# Altium PCB STB_ControlBoard.PcbDoc (part 2 of 3)
Units mm, origin at the board's own origin, x right, y up, seen from the top; angles counter-clockwise.
Board outline 90 x 90 mm, 4 copper layers (Top Layer, Int1 (GND), Int2 (PWR), Bottom Layer), stack 1.369 mm thick; 185 components, 119 nets, 629 pads, 368 vias.
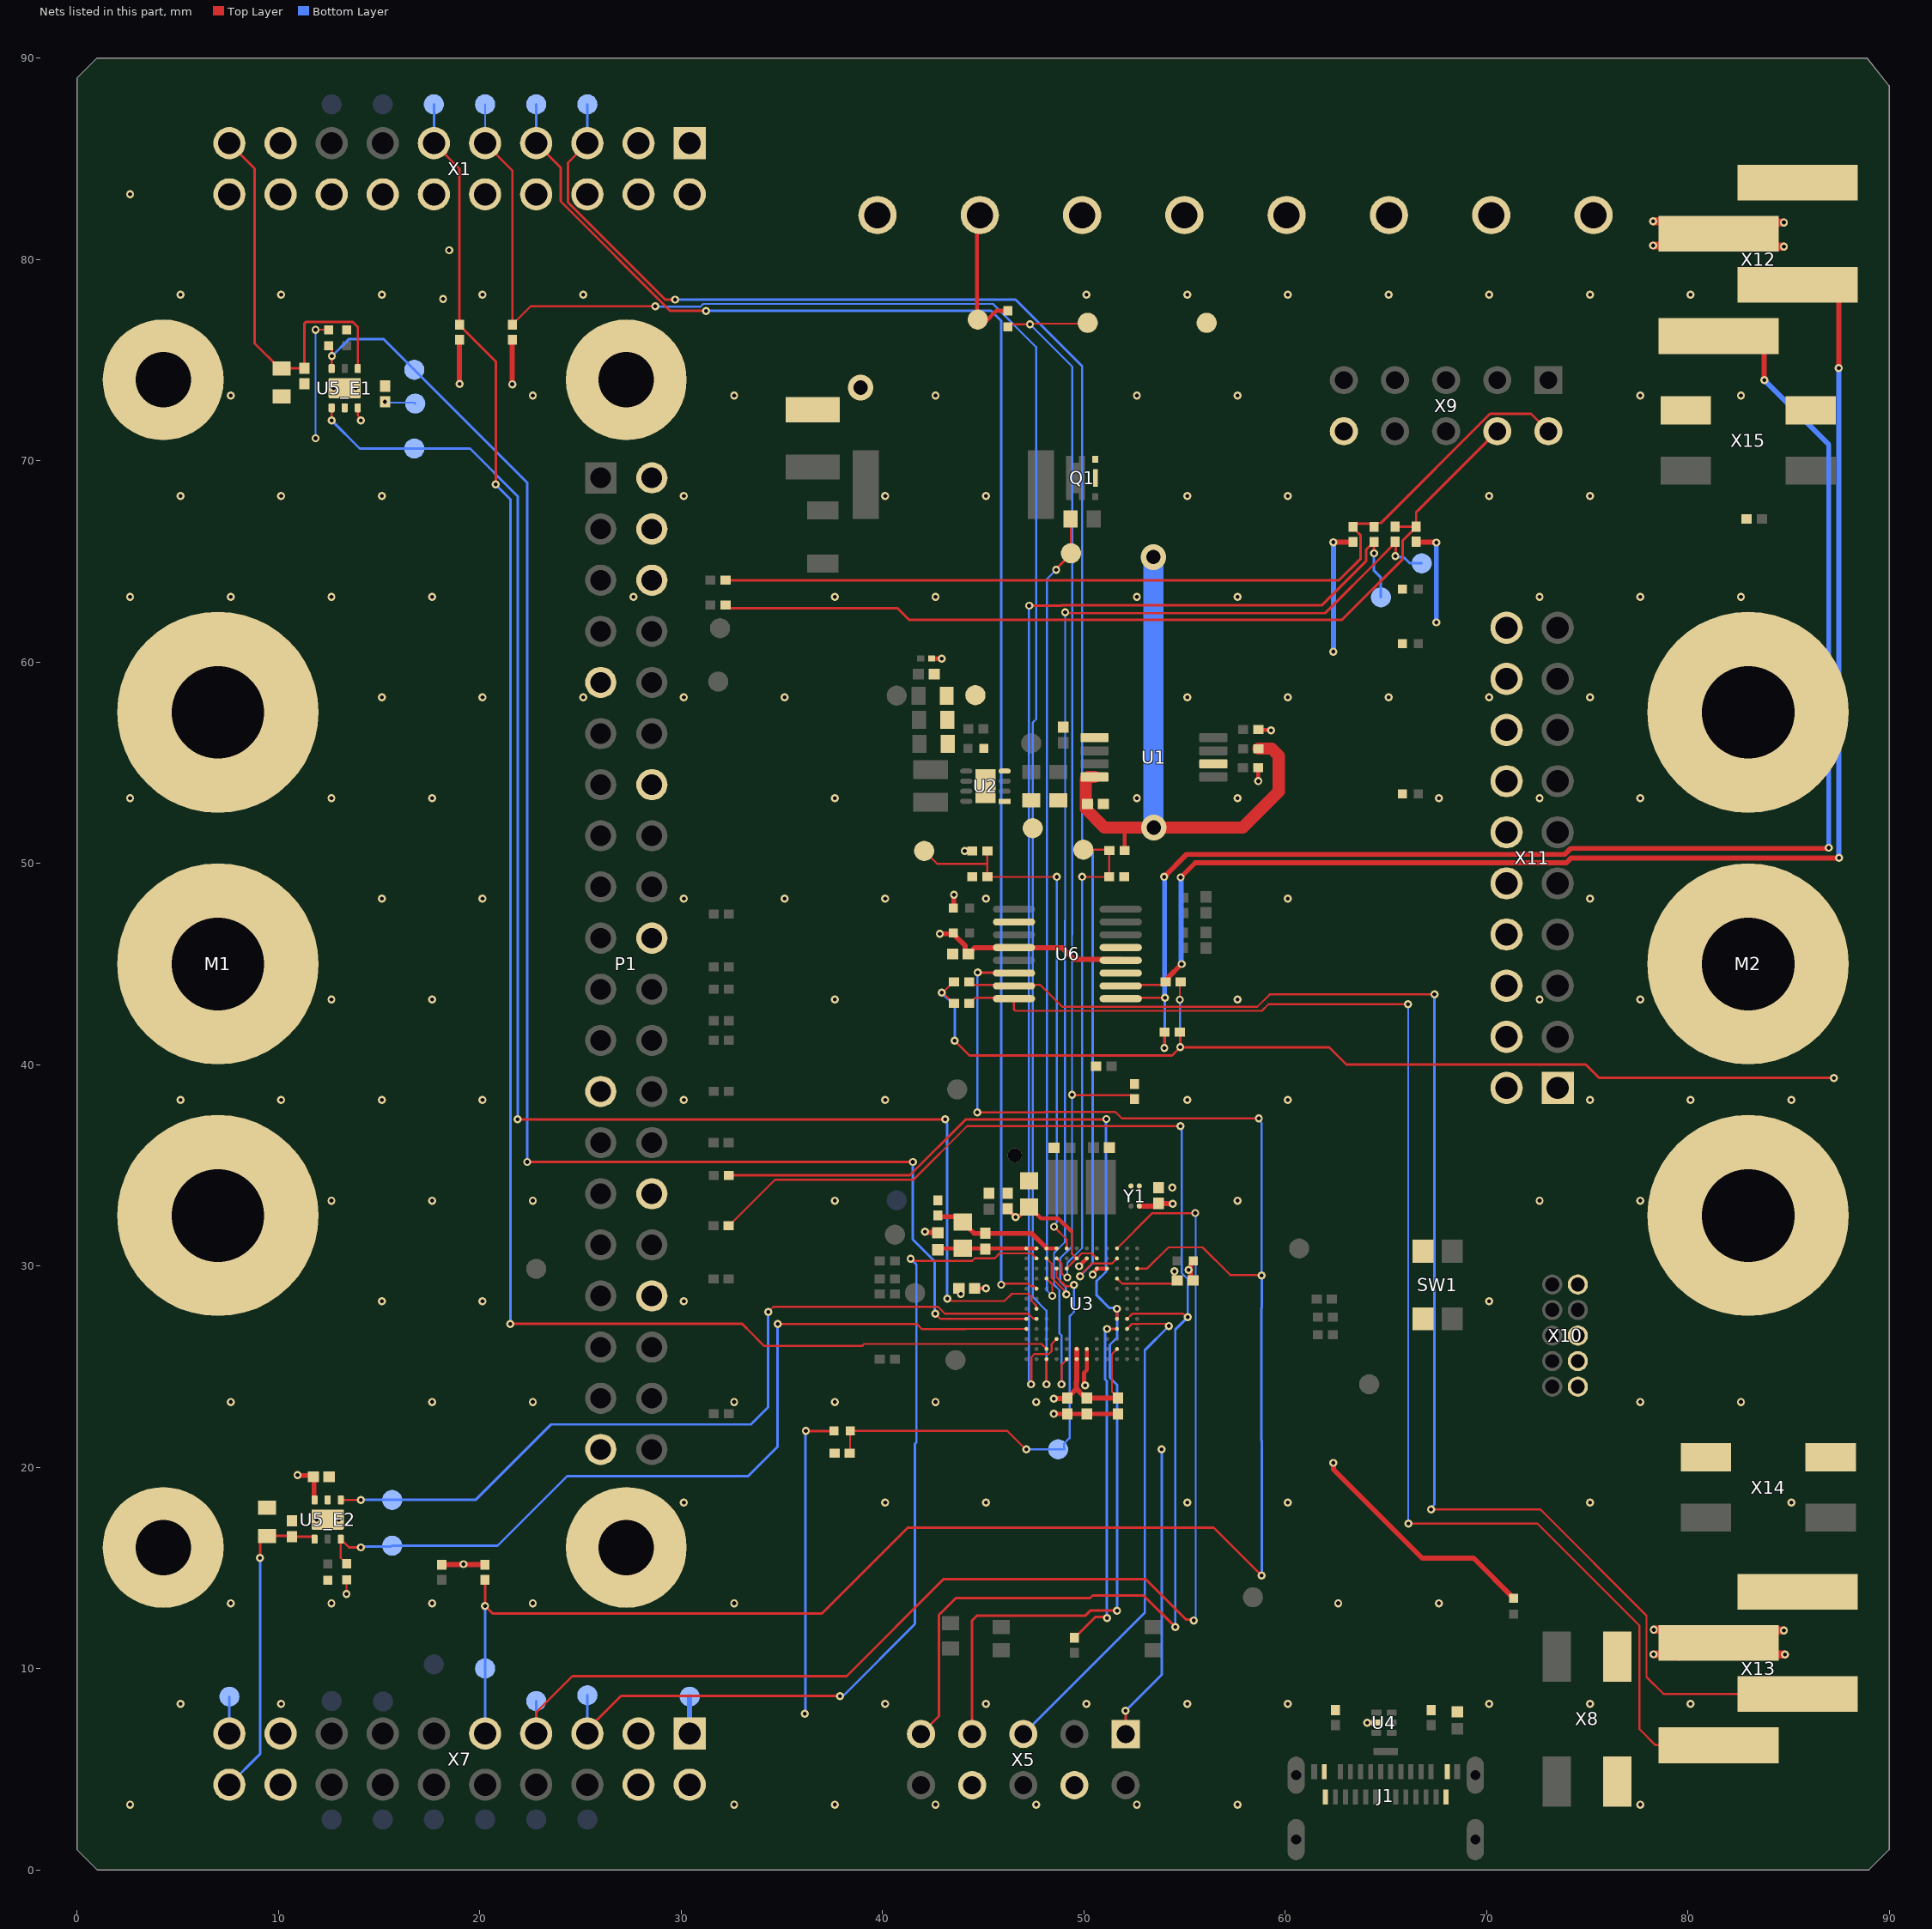
[diagram p4: the nets of this part, all layers, seen from the top]

## Part data (continued)
R9: library part CMP-2000-00757-1, Manufacturer=Panasonic, Manufacturer Part Number=ERJ-3EKF27R0V, Max Operating Temperature=155°C, Min Operating Temperature=-55°C, Package Height=0.45mm, Package Length=1.6mm, Package Shape=Rectangular, Package Style=SMTMeter, Package Width=0.8mm, Part Number=ERJ-3GEYJ270V, Rated Power Dissipation (P)=100mW, Rated Temperature=70°C, Resistor Type="FIXED RESISTOR", Supplier Part Number 1=1763578, Temperature Coefficient=100ppm/°C, Tolerance=1%, Working Voltage=75V, Category="Chip SMD Resistors", ComponentLink1Description=https://datasheet.ciiva.com:443/pdfs/VipMasterIC/IC/PANA/PANA-S-A0009889626/PANA-S-A0009889626-1.pdf?src-supplier=IHS+Markit, ComponentLink1URL=https://datasheet.ciiva.com:443/pdfs/VipMasterIC/IC/PANA/PANA-S-A0009889626/PANA-S-A0009889626-1.pdf?src-supplier=IHS+Markit, ComponentLink2Description=https://datasheet.ciiva.com/46381/1678782-46381559.pdf?src-supplier=Element14, ComponentLink2URL=https://datasheet.ciiva.com/46381/1678782-46381559.pdf?src-supplier=Element14, ComponentLink3Description=https://datasheet.ciiva.com/22681/1678782-22681182.pdf?src-supplier=Element14, ComponentLink3URL=https://datasheet.ciiva.com/22681/1678782-22681182.pdf?src-supplier=Element14, ComponentLink4Description=https://datasheet.ciiva.com/28568/1678782-28568703.pdf?src-supplier=Element14, ComponentLink4URL=https://datasheet.ciiva.com/28568/1678782-28568703.pdf?src-supplier=Element14, ComponentLink5Description=https://datasheet.ciiva.com/46381/1678782-46381558.pdf?src-supplier=Element14, ComponentLink5URL=https://datasheet.ciiva.com/46381/1678782-46381558.pdf?src-supplier=Element14, ComponentLink6Description=https://datasheet.ciiva.com/24069/aoa0000ce2-24069132.pdf?src-supplier=Mouser, ComponentLink6URL=https://datasheet.ciiva.com/24069/aoa0000ce2-24069132.pdf?src-supplier=Mouser, ComponentLink7Description=https://datasheet.ciiva.com/16776/70260748-16776005.pdf?src-supplier=Allied+Electronics, ComponentLink7URL=https://datasheet.ciiva.com/16776/70260748-16776005.pdf?src-supplier=Allied+Electronics, ComponentLink8Description=https://datasheet.ciiva.com/16779/70260748-16779605.pdf?src-supplier=Allied+Electronics, ComponentLink8URL=https://datasheet.ciiva.com/16779/70260748-16779605.pdf?src-supplier=Allied+Electronics, ComponentLink9Description=https://datasheet.ciiva.com/9116/aoa0000ce2-9116957.pdf?src-supplier=Avnet, ComponentLink9URL=https://datasheet.ciiva.com/9116/aoa0000ce2-9116957.pdf?src-supplier=Avnet, ComponentLink10Description=https://datasheet.ciiva.com/9191/aoa0000ce2-9191131.pdf?src-supplier=Avnet, ComponentLink10URL=https://datasheet.ciiva.com/9191/aoa0000ce2-9191131.pdf?src-supplier=Avnet, ComponentLink11Description=https://datasheet.ciiva.com/30124/aoa0000ce2-30124664.pdf?src-supplier=Onlinecomponents.com, ComponentLink11URL=https://datasheet.ciiva.com/30124/aoa0000ce2-30124664.pdf?src-supplier=Onlinecomponents.com, Construction=Rectangular, JESD-609 Code=e3, Mount="Surface Mount", Number of Pins=2, Packaging="Tape and Reel", Pricing 1="1000=0.01300 (CHF)", REACH SVHC=Yes, Reference Standard=AEC-Q200, RoHS=Yes, RoHS Compliant=Yes, Size Code=0603, Stock 1=109978, Supplier 1=RSComponents, Technology="METAL GLAZE/THICK FILM", Terminal Finish=Nickel, Termination=Wraparound
R10 R34 R35 R36 R50 R63 R64: library part CMP-2000-07588-1, "Chip Resistor, 10 KOhm, +/- 1%, 0.1 W, -55 to 155 degC, 0402 (1005 Metric), RoHS, Tape and Reel", Case Code (Imperial)=0402, Case Code (Metric)=1005, Manufacturer=Panasonic, Manufacturer Part Number=ERJ-2RKF1002X, Max Operating Temperature=155degC, Max Power Dissipation=100mW, Min Operating Temperature=-55degC, Package Description="2-Pin Surface Mount Device, Body 1 x 0.5 mm", Package Height=0.35mm, Package Length=1mm, Package Quantity=1, Package Reference=402, Package Shape=Rectangular, Package Style=SMTMeter, Package Width=0.5mm, Rated Temperature=70°C, Resistor Type="FIXED RESISTOR", Supplier Part Number 1=P10.0KLDKR-ND, Temperature Coefficient=100ppm\/degreesC, Tolerance=1%, Voltage Rating=50V, Case\/Package=0402, Category="Chip SMD Resistors", ComponentLink1Description=https://datasheet.ciiva.com:443/pdfs/VipMasterIC/IC/PANA/PANA-S-A0009889626/PANA-S-A0009889626-1.pdf?src-supplier=IHS+Markit, ComponentLink1URL=https://datasheet.ciiva.com:443/pdfs/VipMasterIC/IC/PANA/PANA-S-A0009889626/PANA-S-A0009889626-1.pdf?src-supplier=IHS+Markit, ComponentLink2Description=https://datasheet.ciiva.com/11821/0900766b80f80784-11821171.pdf?src-supplier=RSComponents, ComponentLink2URL=https://datasheet.ciiva.com/11821/0900766b80f80784-11821171.pdf?src-supplier=RSComponents, ComponentLink3Description=https://datasheet.ciiva.com/27055/1987020-27055643.pdf?src-supplier=Jameco, ComponentLink3URL=https://datasheet.ciiva.com/27055/1987020-27055643.pdf?src-supplier=Jameco, ComponentLink4Description=https://datasheet.ciiva.com/43467/1678782-43467402.pdf?src-supplier=Farnell, ComponentLink4URL=https://datasheet.ciiva.com/43467/1678782-43467402.pdf?src-supplier=Farnell, ComponentLink5Description=https://datasheet.ciiva.com/28514/1678782-28514185.pdf?src-supplier=Element14, ComponentLink5URL=https://datasheet.ciiva.com/28514/1678782-28514185.pdf?src-supplier=Element14, ComponentLink6Description=https://datasheet.ciiva.com/24023/aoa0000ce2-24023017.pdf?src-supplier=Mouser, ComponentLink6URL=https://datasheet.ciiva.com/24023/aoa0000ce2-24023017.pdf?src-supplier=Mouser, ComponentLink7Description=https://datasheet.ciiva.com/16782/70260748-16782590.pdf?src-supplier=Allied+Electronics, ComponentLink7URL=https://datasheet.ciiva.com/16782/70260748-16782590.pdf?src-supplier=Allied+Electronics, ComponentLink8Description=https://datasheet.ciiva.com/16786/70260748-16786734.pdf?src-supplier=Allied+Electronics, ComponentLink8URL=https://datasheet.ciiva.com/16786/70260748-16786734.pdf?src-supplier=Allied+Electronics, ComponentLink9Description=https://datasheet.ciiva.com/9194/aoa0000ce2-9194142.pdf?src-supplier=Avnet, ComponentLink9URL=https://datasheet.ciiva.com/9194/aoa0000ce2-9194142.pdf?src-supplier=Avnet, ComponentLink10Description=https://datasheet.ciiva.com/16199/aoa0000ce2-16199478.pdf?src-supplier=Future+Electronics, ComponentLink10URL=https://datasheet.ciiva.com/16199/aoa0000ce2-16199478.pdf?src-supplier=Future+Electronics, ComponentLink11Description=https://datasheet.ciiva.com/48531/aoa0000ce2-48531069.pdf?src-supplier=Avnet, ComponentLink11URL=https://datasheet.ciiva.com/48531/aoa0000ce2-48531069.pdf?src-supplier=Avnet, ComponentLink12Description=https://datasheet.ciiva.com/30201/aoa0000ce2-30201022.pdf?src-supplier=Onlinecomponents.com, ComponentLink12URL=https://datasheet.ciiva.com/30201/aoa0000ce2-30201022.pdf?src-supplier=Onlinecomponents.com, Composition=ThickFilm, Construction=Rectangular, Contact Plating=Tin, Datasheet URL=https://industrial.panasonic.com/cdbs/www-data/pdf/RDA0000/AOA0000C304.pdf, Datasheet Version=02/2017, Depth=0.5mm, Height=0.35mm, JESD-609 Code=e3, Lead Free=LeadFree, Length=1mm, Manufacturer URL=http://www.panasonic.com/, Military Standard=Not, Mount=SurfaceMount, Mounting Technology=SurfaceMount, Number of Pins=2, Number of Terminations=2, Packaging=TapeandReel, Power Rating=100mW, Pricing 1="1=0.10000, 10=0.03300, 100=0.01330, 1000=0.00599, 2500=0.00520, 5000=0.00429 (USD)", Radiation Hardening=No, Rated Power Dissipation (P)=100mW, REACH SVHC=NoSVHC, Reference Standard=AEC-Q200, RoHS=Yes, RoHS Compliant=Yes, RoHSCompliant=True, Size Code=0402, Stock 1=108, Supplier 1=Digi-Key, Technology="METAL GLAZE/THICK FILM", Terminal Finish=Nickel, Termination=SMD/SMT, Voltage Rating (DC)=50V, Width=0.02inch, Working Voltage=50V
R11: library part CMP-2005-03789-1, Manufacturer=Panasonic, Manufacturer Part Number=ERJ14BQF1R0U, Max Operating Temperature=125°C, Min Operating Temperature=-55°C, Package Shape=Rectangular, Rated Power Dissipation (P)=500mW, Rated Temperature=70°C, Resistor Type="FIXED RESISTOR", Supplier Part Number 1=P17253CT-ND, Temperature Coefficient=100ppm/°C, Tolerance=1%, Category="Chip SMD Resistors", ComponentLink1Description=https://datasheet.ciiva.com:443/pdfs/VipMasterIC/IC/PANA/PANA-S-A0009615198/PANA-S-A0009615198-1.pdf?src-supplier=IHS+Markit, ComponentLink1URL=https://datasheet.ciiva.com:443/pdfs/VipMasterIC/IC/PANA/PANA-S-A0009615198/PANA-S-A0009615198-1.pdf?src-supplier=IHS+Markit, ComponentLink2Description=https://datasheet.ciiva.com/11810/0900766b80eefa12-11810873.pdf?src-supplier=RSComponents, ComponentLink2URL=https://datasheet.ciiva.com/11810/0900766b80eefa12-11810873.pdf?src-supplier=RSComponents, ComponentLink3Description=https://datasheet.ciiva.com/48533/erj-eng-tds-48533543.pdf?src-supplier=Distrelec, ComponentLink3URL=https://datasheet.ciiva.com/48533/erj-eng-tds-48533543.pdf?src-supplier=Distrelec, ComponentLink4Description=https://datasheet.ciiva.com/48516/erj-eng-tds-48516877.pdf?src-supplier=Distrelec, ComponentLink4URL=https://datasheet.ciiva.com/48516/erj-eng-tds-48516877.pdf?src-supplier=Distrelec, ComponentLink5Description=https://datasheet.ciiva.com/24055/aoa0000ce3-72189-24055482.pdf?src-supplier=Mouser, ComponentLink5URL=https://datasheet.ciiva.com/24055/aoa0000ce3-72189-24055482.pdf?src-supplier=Mouser, ComponentLink6Description=https://datasheet.ciiva.com/9198/aoa0000ce3-9198936.pdf?src-supplier=Avnet, ComponentLink6URL=https://datasheet.ciiva.com/9198/aoa0000ce3-9198936.pdf?src-supplier=Avnet, JESD-609 Code=e3, Mount="Surface Mount", Number of Pins=2, Packaging="Tape and Reel", Part Number=ERJ14BQF1R0U, Pricing 1="1=0.59000, 10=0.45200, 100=0.19010, 1000=0.10486, 2500=0.09831 (USD)", Reach SVHC Compliant=Yes, Reference Standard=AEC-Q200, RoHS=Yes, RoHS Compliant=Yes, Size Code=1210, Stock 1=77, Supplier 1=Digi-Key, Technology="METAL GLAZE/THICK FILM", Terminal Finish=Nickel, Termination=Wraparound
R12 R13 R15 R17 R18 R19 R20 R21 R22 R23 R24 R25 R26 R29 R30 R33 R39 R40 R45 R46 R47 R49 R54: library part CMP-1011-00001-2, Manufacturer="Yageo / Phycomp", Manufacturer Part Number=RC0402JR-070RL, Max Operating Temperature=155°C, Min Operating Temperature=-55°C, Package Height=0.35mm, Package Length=1mm, Package Shape=Rectangular, Package Style=SMTMeter, Package Width=0.5mm, Rated Power Dissipation (P)=62.5mW, Rated Temperature=70°C, Resistor Type="FIXED RESISTOR", Supplier Part Number 1=311-0.0JRDKR-ND, Category="Chip SMD Resistors", ComponentLink1Description=https://datasheet.ciiva.com:443/pdfs/VipMasterIC/IC/YAGO/YAGO-S-A0008145938/YAGO-S-A0008145938-1.pdf?src-supplier=IHS+Markit, ComponentLink1URL=https://datasheet.ciiva.com:443/pdfs/VipMasterIC/IC/YAGO/YAGO-S-A0008145938/YAGO-S-A0008145938-1.pdf?src-supplier=IHS+Markit, ComponentLink2Description=https://datasheet.ciiva.com/2452/pyu-rc0402-51-rohs-l-6-2452608.pdf?src-supplier=Digi-Key, ComponentLink2URL=https://datasheet.ciiva.com/2452/pyu-rc0402-51-rohs-l-6-2452608.pdf?src-supplier=Digi-Key, ComponentLink3Description=https://datasheet.ciiva.com/11808/0900766b80c66297-11808195.pdf?src-supplier=RSComponents, ComponentLink3URL=https://datasheet.ciiva.com/11808/0900766b80c66297-11808195.pdf?src-supplier=RSComponents, ComponentLink4Description=https://datasheet.ciiva.com/7983/1018594-7983535.pdf?src-supplier=Element14, ComponentLink4URL=https://datasheet.ciiva.com/7983/1018594-7983535.pdf?src-supplier=Element14, ComponentLink5Description=https://datasheet.ciiva.com/22747/1018594-22747515.pdf?src-supplier=Element14, ComponentLink5URL=https://datasheet.ciiva.com/22747/1018594-22747515.pdf?src-supplier=Element14, ComponentLink6Description=https://datasheet.ciiva.com/2452/pyu-r-int-thick-7-2452609.pdf?src-supplier=Digi-Key, ComponentLink6URL=https://datasheet.ciiva.com/2452/pyu-r-int-thick-7-2452609.pdf?src-supplier=Digi-Key, ComponentLink7Description=https://datasheet.ciiva.com/2452/pyu-r-int-thick-7-2452610.pdf?src-supplier=Digi-Key, ComponentLink7URL=https://datasheet.ciiva.com/2452/pyu-r-int-thick-7-2452610.pdf?src-supplier=Digi-Key, ComponentLink8Description=https://datasheet.ciiva.com/8896/pyu-rc0402-51-rohs-l-6-8896201.pdf?src-supplier=Avnet, ComponentLink8URL=https://datasheet.ciiva.com/8896/pyu-rc0402-51-rohs-l-6-8896201.pdf?src-supplier=Avnet, ComponentLink9Description=https://datasheet.ciiva.com/15189/getdatasheetpartid-326379-15189533.pdf?src-supplier=Verical, ComponentLink9URL=https://datasheet.ciiva.com/15189/getdatasheetpartid-326379-15189533.pdf?src-supplier=Verical, Construction=Chip, JESD-609 Code=e3, Mount="Surface Mount", Number of Pins=2, Packaging="Tape and Reel", Part Number=RC0402JR-070RL, Pricing 1="1=0.10000, 10=0.01200, 25=0.00840, 50=0.00640, 100=0.00480, 250=0.00364, 500=0.00290, 1000=0.00214, 5000=0.00154 (USD)", REACH SVHC=Yes, RoHS=Yes, RoHS Compliant=Yes, Size Code=0402, Stock 1=41330354, Supplier 1=Digi-Key, Technology="METAL GLAZE/THICK FILM", Terminal Finish=Nickel, Termination=Wraparound
  R29 R30 R33 R39 R40 R45 R46 R47 R49 R54: Resistance=0R
R14: library part CMP-2003-00017-1, Manufacturer=Panasonic, Manufacturer Part Number=ERJ-8ENF1001V, Max Operating Temperature=155°C, Min Operating Temperature=-55°C, Package Height=0.6mm, Package Length=3.2mm, Package Shape=Rectangular, Package Style=SMTMeter, Package Width=1.6mm, Rated Power Dissipation (P)=250mW, Rated Temperature=70°C, Resistor Type="FIXED RESISTOR", Supplier Part Number 1=P1.00KFDKR-ND, Temperature Coefficient=100ppm/°C, Tolerance=1%, Working Voltage=200V, Category="Chip SMD Resistors", ComponentLink1Description=https://datasheet.ciiva.com:443/pdfs/VipMasterIC/IC/PANA/PANA-S-A0009889626/PANA-S-A0009889626-1.pdf?src-supplier=IHS+Markit, ComponentLink1URL=https://datasheet.ciiva.com:443/pdfs/VipMasterIC/IC/PANA/PANA-S-A0009889626/PANA-S-A0009889626-1.pdf?src-supplier=IHS+Markit, Construction=Rectangular, JESD-609 Code=e3, Mount="Surface Mount", Number of Pins=2, Packaging="Tape and Reel", Part Number=ERJ-8ENF1001V, Pricing 1="1=0.18000, 10=0.15400, 100=0.06030, 1000=0.02522, 2500=0.02312 (USD)", Reach SVHC Compliant=Yes, Reference Standard=AEC-Q200, RoHS=Yes, RoHS Compliant=Yes, Size Code=1206, Stock 1=194943, Supplier 1=Digi-Key, Technology="METAL GLAZE/THICK FILM", Terminal Finish=Nickel, Termination=Wraparound
R27 R28 R31 R32 R37 R38 R59 R60 R61 R62: library part CMP-1011-00586-2, Manufacturer="Yageo / Phycomp", Manufacturer Part Number=RC0402FR-074K7L, Max Operating Temperature=155°C, Min Operating Temperature=-55°C, Package Height=0.35mm, Package Length=1mm, Package Shape=Rectangular, Package Style=SMTMeter, Package Width=0.5mm, Rated Power Dissipation (P)=62.5mW, Rated Temperature=70°C, Resistor Type="FIXED RESISTOR", Supplier Part Number 1=311-4.7KLRDKR-ND, Temperature Coefficient=100ppm/°C, Tolerance=1%, Working Voltage=50V, Additional Feature="LASER TRIMMABLE", Category="Chip SMD Resistors", ComponentLink1Description=https://datasheet.ciiva.com:443/pdfs/VipMasterIC/IC/YAGO/YAGO-S-A0008145938/YAGO-S-A0008145938-1.pdf?src-supplier=IHS+Markit, ComponentLink1URL=https://datasheet.ciiva.com:443/pdfs/VipMasterIC/IC/YAGO/YAGO-S-A0008145938/YAGO-S-A0008145938-1.pdf?src-supplier=IHS+Markit, ComponentLink2Description=https://datasheet.ciiva.com/22661/1686128-22661342.pdf?src-supplier=Element14, ComponentLink2URL=https://datasheet.ciiva.com/22661/1686128-22661342.pdf?src-supplier=Element14, ComponentLink3Description=https://datasheet.ciiva.com/7850/1018594-7850022.pdf?src-supplier=Element14, ComponentLink3URL=https://datasheet.ciiva.com/7850/1018594-7850022.pdf?src-supplier=Element14, ComponentLink4Description=https://datasheet.ciiva.com/7850/1018594-7850023.pdf?src-supplier=Element14, ComponentLink4URL=https://datasheet.ciiva.com/7850/1018594-7850023.pdf?src-supplier=Element14, ComponentLink5Description=https://datasheet.ciiva.com/15215/getdatasheetpartid-328119-15215035.pdf?src-supplier=Verical, ComponentLink5URL=https://datasheet.ciiva.com/15215/getdatasheetpartid-328119-15215035.pdf?src-supplier=Verical, Construction=Chip, JESD-609 Code=e3, Mount="Surface Mount", Number of Pins=2, Packaging="Tape and Reel", Part Number=RC0402FR-074K7L, Pricing 1="1=0.10000, 10=0.01500, 100=0.00600, 1000=0.00267, 2500=0.00232, 5000=0.00192 (USD)", REACH SVHC=Yes, RoHS=Yes, RoHS Compliant=Yes, Size Code=0402, Stock 1=23638739, Supplier 1=Digi-Key, Technology="METAL GLAZE/THICK FILM", Terminal Finish=Nickel, Termination=Wraparound
R48 R57_E1 R57_E2 R58_E1 R58_E2: library part CMP-2002-01150-1, Manufacturer=Panasonic, Manufacturer Part Number=ERJ-2RKF3903X, Max Operating Temperature=155°C, Min Operating Temperature=-55°C, Package Height=0.35mm, Package Length=1mm, Package Shape=Rectangular, Package Style=SMTMeter, Package Width=0.5mm, Part Number=ERJ2RKF3903X, Rated Power Dissipation (P)=100mW, Rated Temperature=70°C, Resistor Type="FIXED RESISTOR", Supplier Part Number 1=P390KLDKR-ND, Temperature Coefficient=100ppm/°C, Tolerance=1%, Working Voltage=50V, Category="Chip SMD Resistors", ComponentLink1Description=https://datasheet.ciiva.com:443/pdfs/VipMasterIC/IC/PANA/PANA-S-A0009889626/PANA-S-A0009889626-1.pdf?src-supplier=IHS+Markit, ComponentLink1URL=https://datasheet.ciiva.com:443/pdfs/VipMasterIC/IC/PANA/PANA-S-A0009889626/PANA-S-A0009889626-1.pdf?src-supplier=IHS+Markit, ComponentLink2Description=https://datasheet.ciiva.com/11821/0900766b80f80784-11821283.pdf?src-supplier=RSComponents, ComponentLink2URL=https://datasheet.ciiva.com/11821/0900766b80f80784-11821283.pdf?src-supplier=RSComponents, ComponentLink3Description=https://datasheet.ciiva.com/16764/70260748-16764280.pdf?src-supplier=Allied+Electronics, ComponentLink3URL=https://datasheet.ciiva.com/16764/70260748-16764280.pdf?src-supplier=Allied+Electronics, ComponentLink4Description=https://datasheet.ciiva.com/9182/aoa0000ce2-9182363.pdf?src-supplier=Avnet, ComponentLink4URL=https://datasheet.ciiva.com/9182/aoa0000ce2-9182363.pdf?src-supplier=Avnet, ComponentLink5Description=https://datasheet.ciiva.com/22681/1678782-22681165.pdf?src-supplier=Element14, ComponentLink5URL=https://datasheet.ciiva.com/22681/1678782-22681165.pdf?src-supplier=Element14, ComponentLink6Description=https://datasheet.ciiva.com/46373/1678782-46373573.pdf?src-supplier=Element14, ComponentLink6URL=https://datasheet.ciiva.com/46373/1678782-46373573.pdf?src-supplier=Element14, ComponentLink7Description=https://datasheet.ciiva.com/7711/1678782-7711046.pdf?src-supplier=Element14, ComponentLink7URL=https://datasheet.ciiva.com/7711/1678782-7711046.pdf?src-supplier=Element14, ComponentLink8Description=https://datasheet.ciiva.com/9182/aoa0000ce2-9182360.pdf?src-supplier=Avnet, ComponentLink8URL=https://datasheet.ciiva.com/9182/aoa0000ce2-9182360.pdf?src-supplier=Avnet, ComponentLink9Description=https://datasheet.ciiva.com/24025/aoa0000ce2-24025100.pdf?src-supplier=Mouser, ComponentLink9URL=https://datasheet.ciiva.com/24025/aoa0000ce2-24025100.pdf?src-supplier=Mouser, ComponentLink10Description=https://datasheet.ciiva.com/16785/70260748-16785997.pdf?src-supplier=Allied+Electronics, ComponentLink10URL=https://datasheet.ciiva.com/16785/70260748-16785997.pdf?src-supplier=Allied+Electronics, ComponentLink11Description=https://datasheet.ciiva.com/30263/aoa0000ce2-30263919.pdf?src-supplier=Onlinecomponents.com, ComponentLink11URL=https://datasheet.ciiva.com/30263/aoa0000ce2-30263919.pdf?src-supplier=Onlinecomponents.com, Construction=Rectangular, JESD-609 Code=e3, Mount="Surface Mount", Number of Pins=2, Packaging="Tape and Reel", Pricing 1="1=0.10000, 10=0.03300, 100=0.01330, 1000=0.00599, 2500=0.00520, 5000=0.00429 (USD)", REACH SVHC=Yes, Reference Standard=AEC-Q200, RoHS=Yes, RoHS Compliant=Yes, Size Code=0402, Stock 1=16645, Supplier 1=Digi-Key, Technology="METAL GLAZE/THICK FILM", Terminal Finish=Nickel, Termination=Wraparound
R52: library part CMP-2002-00230-1, Manufacturer="Vishay Dale", Manufacturer Part Number=CRCW0402820KFKED, Max Operating Temperature=155°C, Min Operating Temperature=-55°C, Package Height=0.35mm, Package Length=1mm, Package Shape=Rectangular, Package Style=SMTMeter, Package Width=0.5mm, Rated Power Dissipation (P)=63mW, Rated Temperature=70°C, Resistor Type="FIXED RESISTOR", Supplier Part Number 1=541-820KLDKR-ND, Temperature Coefficient=100ppm/°C, Tolerance=1%, Working Voltage=50V, Category="Chip SMD Resistors", ComponentLink1Description=https://datasheet.ciiva.com:443/pdfs/VipMasterIC/IC/VISH/VISH-S-A0007266705/VISH-S-A0007266705-1.pdf?src-supplier=IHS+Markit, ComponentLink1URL=https://datasheet.ciiva.com:443/pdfs/VipMasterIC/IC/VISH/VISH-S-A0007266705/VISH-S-A0007266705-1.pdf?src-supplier=IHS+Markit, ComponentLink2Description=https://datasheet.ciiva.com/5540/dcrcwe3-109170-5540880.pdf?src-supplier=Mouser, ComponentLink2URL=https://datasheet.ciiva.com/5540/dcrcwe3-109170-5540880.pdf?src-supplier=Mouser, ComponentLink3Description=https://datasheet.ciiva.com/11818/0900766b80d98824-11818128.pdf?src-supplier=RSComponents, ComponentLink3URL=https://datasheet.ciiva.com/11818/0900766b80d98824-11818128.pdf?src-supplier=RSComponents, ComponentLink4Description=https://datasheet.ciiva.com/22675/1847332-22675559.pdf?src-supplier=Element14, ComponentLink4URL=https://datasheet.ciiva.com/22675/1847332-22675559.pdf?src-supplier=Element14, ComponentLink5Description=https://datasheet.ciiva.com/22706/1697337-22706232.pdf?src-supplier=Element14, ComponentLink5URL=https://datasheet.ciiva.com/22706/1697337-22706232.pdf?src-supplier=Element14, ComponentLink6Description=https://datasheet.ciiva.com/16494/dcrcwe3-16494457.pdf?src-supplier=Future+Electronics, ComponentLink6URL=https://datasheet.ciiva.com/16494/dcrcwe3-16494457.pdf?src-supplier=Future+Electronics, ComponentLink7Description=https://datasheet.ciiva.com/26316/fld-crcw-e3-data-en-26316601.pdf?src-supplier=Distrelec, ComponentLink7URL=https://datasheet.ciiva.com/26316/fld-crcw-e3-data-en-26316601.pdf?src-supplier=Distrelec, ComponentLink8Description=https://datasheet.ciiva.com/7743/dcrcwe3-7743755.pdf?src-supplier=Element14, ComponentLink8URL=https://datasheet.ciiva.com/7743/dcrcwe3-7743755.pdf?src-supplier=Element14, ComponentLink9Description=https://datasheet.ciiva.com/16775/70201119-16775659.pdf?src-supplier=Allied+Electronics, ComponentLink9URL=https://datasheet.ciiva.com/16775/70201119-16775659.pdf?src-supplier=Allied+Electronics, Construction=Chip, JESD-609 Code=e3, Mount="Surface Mount", Number of Pins=2, Packaging="Tape and Reel", Part Number=CRCW0402820KFKED, Pricing 1="1=0.10000, 10=0.03600, 100=0.01460, 1000=0.00656, 2500=0.00569, 5000=0.00470 (USD)", REACH SVHC=Yes, Reference Standard=AEC-Q200, RoHS=Yes, RoHS Compliant=Yes, Size Code=0402, Stock 1=1266, Supplier 1=Digi-Key, Technology="METAL GLAZE/THICK FILM", Terminal Finish=Nickel, Termination=Wraparound